# KiCad board DIP8breakout+potToUSB.kicad_pcb (continued)
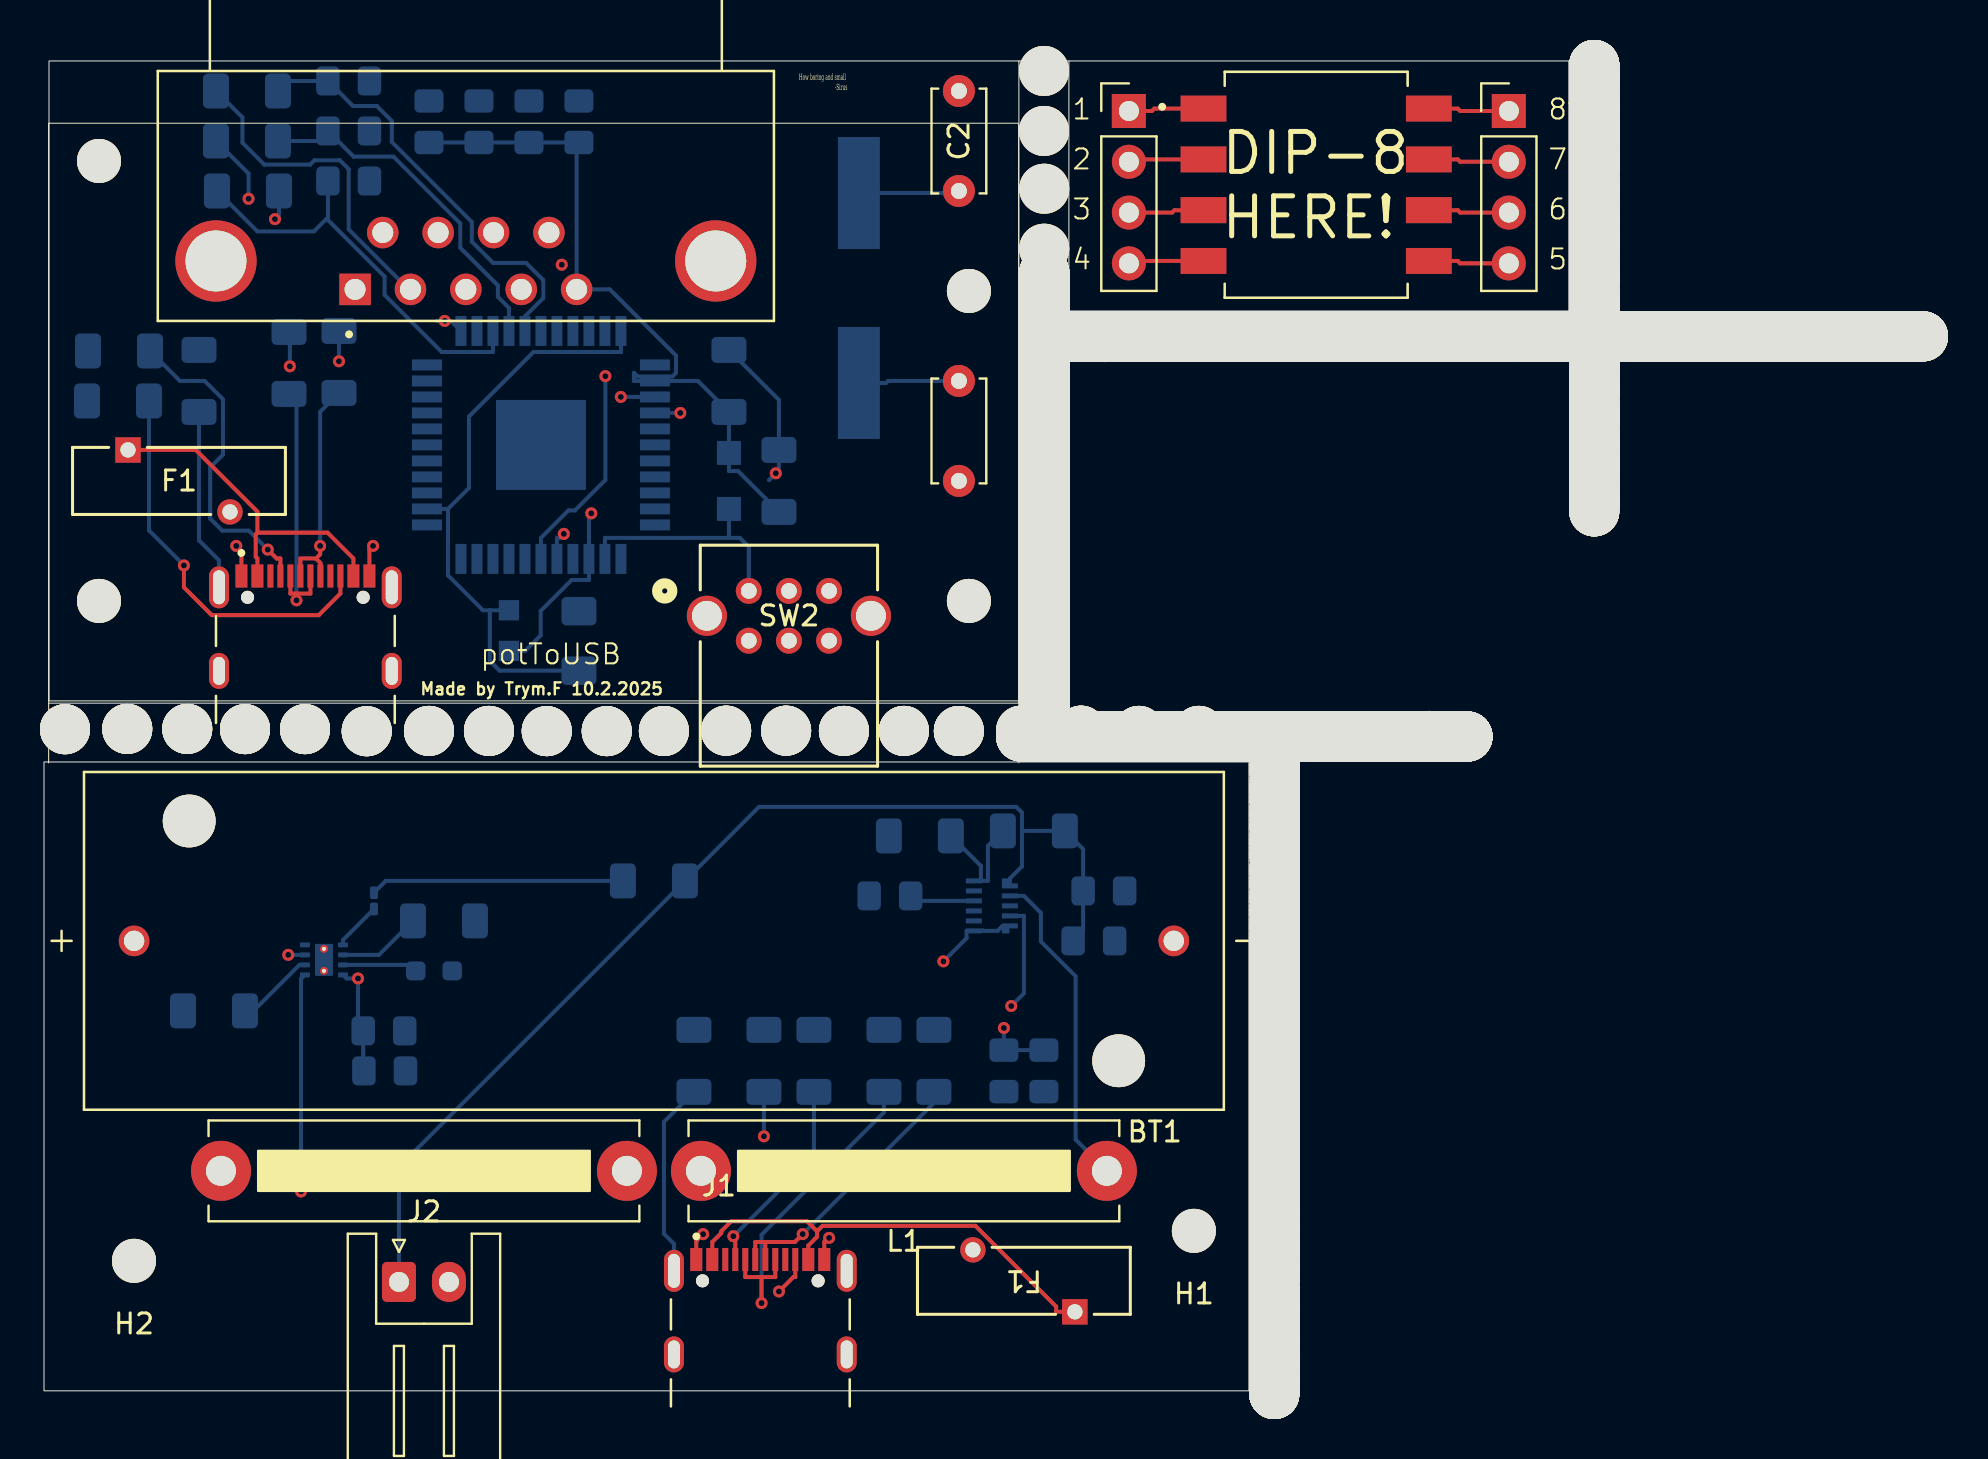
[diagram p0: board, top side]
## Placement (name value [footprint] x y rotation side) (continued)
NOREF#6624  -  [unnamed]  63.48 32.72 0 top
NOREF#6625  -  [unnamed]  61.55 22.67 90 top
NOREF#6626  -  [unnamed]  61.52 3.66 270 top
NOREF#6627  -  [unnamed]  50.02 43.05 90 top
NOREF#6628  -  [unnamed]  61.55 21.93 90 top
NOREF#6629  -  [unnamed]  50.02 50.69 90 top
NOREF#6630  -  [unnamed]  64.18 52.73 180 top
NOREF#6631  -  [unnamed]  67.4 52.73 180 top
NOREF#6632  -  [unnamed]  61.52 5.68 270 top
NOREF#6633  -  [unnamed]  61.55 30.87 90 top
NOREF#6634  -  [unnamed]  61.52 7.28 270 top
NOREF#6635  -  [unnamed]  88.12 52.73 180 top
NOREF#6636  -  [unnamed]  59.22 52.73 180 top
NOREF#6637  -  [unnamed]  61.52 21.76 270 top
NOREF#6638  -  [unnamed]  61.55 10.67 90 top
NOREF#6639  -  [unnamed]  77.52 45.58 90 top
NOREF#6640  -  [unnamed]  61.52 9.84 270 top
NOREF#6641  -  [unnamed]  61.55 28.11 90 top
NOREF#6642  -  [unnamed]  62.38 32.72 0 top
NOREF#6643  -  [unnamed]  50.02 52.95 90 top
NOREF#6644  -  [unnamed]  50.02 48.67 90 top
NOREF#6645  -  [unnamed]  50.02 43.05 90 top
NOREF#6646  -  [unnamed]  61.55 16.11 90 top
NOREF#6647  -  [unnamed]  75.46 52.73 180 top
NOREF#6648  -  [unnamed]  50.02 51.35 90 top
NOREF#6649  -  [unnamed]  61.52 1.64 270 top
NOREF#6650  -  [unnamed]  56.34 52.73 180 top
NOREF#6651  -  [unnamed]  61.55 24.49 90 top
NOREF#6652  -  [unnamed]  65.34 52.73 180 top
NOREF#6653  -  [unnamed]  63.28 32.72 0 top
NOREF#6654  -  [unnamed]  61.55 17.05 90 top
NOREF#6655  -  [unnamed]  66.82 32.72 0 top
NOREF#6656  -  [unnamed]  72.5 52.73 180 top
NOREF#6657  -  [unnamed]  87.92 52.73 180 top
NOREF#6658  -  [unnamed]  75.26 52.73 180 top
NOREF#6659  -  [unnamed]  61.55 21.27 90 top
NOREF#6660  -  [unnamed]  77.52 53.44 90 top
NOREF#6661  -  [unnamed]  61.55 23.13 90 top
NOREF#6662  -  [unnamed]  61.55 21.73 90 top
NOREF#6663  -  [unnamed]  77.52 59.06 90 top
NOREF#6664  -  [unnamed]  50.02 39.63 90 top
NOREF#6665  -  [unnamed]  54.94 52.73 180 top
NOREF#6666  -  [unnamed]  77.52 57.9 90 top
NOREF#6667  -  [unnamed]  68.92 32.72 0 top
NOREF#6668  -  [unnamed]  77.52 57.7 90 top
NOREF#6669  -  [unnamed]  50.02 51.35 90 top
NOREF#6670  -  [unnamed]  77.52 53.98 90 top
NOREF#6671  -  [unnamed]  50.02 50.27 90 top
NOREF#6672  -  [unnamed]  77.52 59.6 90 top
NOREF#6673  -  [unnamed]  88.74 52.73 180 top
NOREF#6674  -  [unnamed]  61.55 13.43 90 top
NOREF#6675  -  [unnamed]  49.72 32.72 0 top
NOREF#6676  -  [unnamed]  50.02 42.19 90 top
NOREF#6677  -  [unnamed]  61.55 15.45 90 top
NOREF#6678  -  [unnamed]  50.02 42.19 90 top
NOREF#6679  -  [unnamed]  77.52 57.5 90 top
NOREF#6680  -  [unnamed]  61.55 22.67 90 top
NOREF#6681  -  [unnamed]  50.02 42.39 90 top
NOREF#6682  -  [unnamed]  77.52 60.46 90 top
NOREF#6683  -  [unnamed]  61.52 0.04 270 top
NOREF#6684  -  [unnamed]  61.58 52.73 180 top
NOREF#6685  -  [unnamed]  74.1 52.73 180 top
NOREF#6686  -  [unnamed]  61.55 25.43 90 top
NOREF#6687  -  [unnamed]  50.02 37.75 90 top
NOREF#6688  -  [unnamed]  68.88 52.73 180 top
NOREF#6689  -  [unnamed]  61.52 1.44 270 top
NOREF#6690  -  [unnamed]  61.55 21.93 90 top
NOREF#6691  -  [unnamed]  68.02 32.72 0 top
NOREF#6692  -  [unnamed]  51.98 52.73 180 top
NOREF#6693  -  [unnamed]  77.52 54.38 90 top
NOREF#6694  -  [unnamed]  71.84 52.73 180 top
NOREF#6695  -  [unnamed]  61.52 12.16 270 top
NOREF#6696  -  [unnamed]  61.52 8.24 270 top
NOREF#6697  -  [unnamed]  77.52 62.68 90 top
NOREF#6698  -  [unnamed]  50.02 53.45 90 top
NOREF#6699  -  [unnamed]  68.22 32.72 0 top
NOREF#6700  -  [unnamed]  61.55 22.47 90 top
NOREF#6701  -  [unnamed]  89.4 52.73 180 top
NOREF#6702  -  [unnamed]  79.94 52.73 180 top
NOREF#6703  -  [unnamed]  61.55 28.31 90 top
NOREF#6704  -  [unnamed]  50.02 48.47 90 top
NOREF#6705  -  [unnamed]  66.82 32.72 0 top
NOREF#6706  -  [unnamed]  64.64 52.73 180 top
NOREF#6707  -  [unnamed]  59.52 52.73 180 top
NOREF#6708  -  [unnamed]  61.55 10.67 90 top
NOREF#6709  -  [unnamed]  70.48 52.73 180 top
NOREF#6710  -  [unnamed]  50.02 48.67 90 top
NOREF#6711  -  [unnamed]  90.6 52.73 180 top
NOREF#6712  -  [unnamed]  58.12 32.72 0 top
NOREF#6713  -  [unnamed]  52.68 32.72 0 top
NOREF#6714  -  [unnamed]  61.52 13.16 270 top
NOREF#6715  -  [unnamed]  75.26 52.73 180 top
NOREF#6716  -  [unnamed]  50.02 52.95 90 top
NOREF#6717  -  [unnamed]  77.52 59.8 90 top
NOREF#6718  -  [unnamed]  61.55 28.31 90 top
NOREF#6719  -  [unnamed]  61.52 13.36 270 top
NOREF#6720  -  [unnamed]  50.66 32.72 0 top
NOREF#6721  -  [unnamed]  50.02 36.05 90 top
NOREF#6722  -  [unnamed]  61.55 13.97 90 top
NOREF#6723  -  [unnamed]  56.1 32.72 0 top
NOREF#6724  -  [unnamed]  61.52 17.6 270 top
NOREF#6725  -  [unnamed]  61.55 24.23 90 top
NOREF#6726  -  [unnamed]  61.55 29.67 90 top
NOREF#6727  -  [unnamed]  52.92 52.73 180 top
NOREF#6728  -  [unnamed]  61.55 25.23 90 top
NOREF#6729  -  [unnamed]  72.18 52.73 180 top
NOREF#6730  -  [unnamed]  61.52 20.16 270 top
NOREF#6731  -  [unnamed]  61.55 25.43 90 top
NOREF#6732  -  [unnamed]  77.52 59.06 90 top
NOREF#6733  -  [unnamed]  79.54 52.73 180 top
NOREF#6734  -  [unnamed]  77.52 61.28 90 top
NOREF#6735  -  [unnamed]  61.52 7.94 270 top
NOREF#6736  -  [unnamed]  56.96 52.73 180 top
NOREF#6737  -  [unnamed]  70.98 32.72 0 top
NOREF#6738  -  [unnamed]  50.02 39.01 90 top
NOREF#6739  -  [unnamed]  50.02 44.85 90 top
NOREF#6740  -  [unnamed]  54.94 52.73 180 top
NOREF#6741  -  [unnamed]  50.02 43.25 90 top
NOREF#6742  -  [unnamed]  50.02 55.91 90 top
NOREF#6743  -  [unnamed]  61.55 20.27 90 top
NOREF#6744  -  [unnamed]  75.46 52.73 180 top
NOREF#6745  -  [unnamed]  61.52 11.5 270 top
NOREF#6746  -  [unnamed]  50.02 41.49 90 top
NOREF#6747  -  [unnamed]  49.92 32.72 0 top
NOREF#6748  -  [unnamed]  88.54 52.73 180 top
NOREF#6749  -  [unnamed]  50.02 55.71 90 top
NOREF#6750  -  [unnamed]  68.22 32.72 0 top
NOREF#6751  -  [unnamed]  50.86 32.72 0 top
NOREF#6752  -  [unnamed]  50.02 33.99 90 top
NOREF#6753  -  [unnamed]  61.52 0.9 270 top
NOREF#6754  -  [unnamed]  50.02 50.07 90 top
NOREF#6755  -  [unnamed]  61.52 18.34 270 top
NOREF#6756  -  [unnamed]  50.02 50.49 90 top
NOREF#6757  -  [unnamed]  61.38 32.72 0 top
NOREF#6758  -  [unnamed]  66.74 52.73 180 top
NOREF#6759  -  [unnamed]  57.42 52.73 180 top
NOREF#6760  -  [unnamed]  56.3 32.72 0 top
NOREF#6761  -  [unnamed]  53.88 52.73 180 top
NOREF#6762  -  [unnamed]  67.56 32.72 0 top
NOREF#6763  -  [unnamed]  70.12 32.72 0 top
NOREF#6764  -  [unnamed]  71.84 52.73 180 top
NOREF#6765  -  [unnamed]  77.52 65.64 90 top
NOREF#6766  -  [unnamed]  77.52 60.46 90 top
NOREF#6767  -  [unnamed]  50.02 45.25 90 top
NOREF#6768  -  [unnamed]  77.52 58.4 90 top
NOREF#6769  -  [unnamed]  88.54 52.73 180 top
NOREF#6770  -  [unnamed]  61.72 32.72 0 top
NOREF#6771  -  [unnamed]  56.96 52.73 180 top
NOREF#6772  -  [unnamed]  50.02 48.01 90 top
NOREF#6773  -  [unnamed]  57.82 52.73 180 top
NOREF#6774  -  [unnamed]  92.36 52.73 180 top
NOREF#6775  -  [unnamed]  79.08 52.73 180 top
NOREF#6776  -  [unnamed]  77.52 64.9 90 top
NOREF#6777  -  [unnamed]  77.52 44.38 90 top
NOREF#6778  -  [unnamed]  55.48 52.73 180 top
NOREF#6779  -  [unnamed]  55.68 52.73 180 top
NOREF#6780  -  [unnamed]  64.48 32.72 0 top
NOREF#6781  -  [unnamed]  77.52 54.18 90 top
NOREF#6782  -  [unnamed]  50.12 32.72 0 top
NOREF#6783  -  [unnamed]  61.55 27.77 90 top
NOREF#6784  -  [unnamed]  50.02 43.05 90 top
NOREF#6785  -  [unnamed]  50.02 36.95 90 top
NOREF#6786  -  [unnamed]  85.66 52.73 180 top
NOREF#6787  -  [unnamed]  52.68 32.72 0 top
NOREF#6788  -  [unnamed]  61.52 11.76 270 top
NOREF#6789  -  [unnamed]  61.98 52.73 180 top
NOREF#6790  -  [unnamed]  77.52 59.26 90 top
NOREF#6791  -  [unnamed]  65.8 52.73 180 top
NOREF#6792  -  [unnamed]  58.32 32.72 0 top
NOREF#6793  -  [unnamed]  68.22 32.72 0 top
NOREF#6794  -  [unnamed]  71.64 52.73 180 top
NOREF#6795  -  [unnamed]  64.44 52.73 180 top
NOREF#6796  -  [unnamed]  80.44 52.73 180 top
NOREF#6797  -  [unnamed]  61.55 13.63 90 top
NOREF#6798  -  [unnamed]  77.52 65.44 90 top
NOREF#6799  -  [unnamed]  61.55 16.11 90 top
NOREF#6800  -  [unnamed]  93.56 52.73 180 top
NOREF#6801  -  [unnamed]  77.52 63.14 90 top
NOREF#6802  -  [unnamed]  50.02 45.25 90 top
NOREF#6803  -  [unnamed]  61.55 30.67 90 top
NOREF#6804  -  [unnamed]  69.12 32.72 0 top
NOREF#6805  -  [unnamed]  53.42 32.72 0 top
NOREF#6806  -  [unnamed]  83.3 52.73 180 top
NOREF#6807  -  [unnamed]  61.52 10.7 270 top
NOREF#6808  -  [unnamed]  61.52 14.26 270 top
NOREF#6809  -  [unnamed]  77.52 59.8 90 top
NOREF#6810  -  [unnamed]  61.55 11.41 90 top
NOREF#6811  -  [unnamed]  61.55 31.73 90 top
NOREF#6812  -  [unnamed]  59.06 32.72 0 top
NOREF#6813  -  [unnamed]  61.52 10.3 270 top
NOREF#6814  -  [unnamed]  50.02 38.81 90 top
NOREF#6815  -  [unnamed]  56.5 32.72 0 top
NOREF#6816  -  [unnamed]  66 52.73 180 top
NOREF#6817  -  [unnamed]  61.55 22.87 90 top
NOREF#6818  -  [unnamed]  76.86 52.73 180 top
NOREF#6819  -  [unnamed]  58.86 32.72 0 top
NOREF#6820  -  [unnamed]  70.98 52.73 180 top
NOREF#6821  -  [unnamed]  61.55 22.87 90 top
NOREF#6822  -  [unnamed]  85.66 52.73 180 top
NOREF#6823  -  [unnamed]  77.52 47.6 90 top
NOREF#6824  -  [unnamed]  81.1 52.73 180 top
NOREF#6825  -  [unnamed]  50.02 42.59 90 top
NOREF#6826  -  [unnamed]  77.52 44.18 90 top
NOREF#6827  -  [unnamed]  55.76 32.72 0 top
NOREF#6828  -  [unnamed]  68.22 52.73 180 top
NOREF#6829  -  [unnamed]  61.55 14.83 90 top
NOREF#6830  -  [unnamed]  61.52 16.94 270 top
NOREF#6831  -  [unnamed]  61.55 24.03 90 top
NOREF#6832  -  [unnamed]  50.02 40.29 90 top
NOREF#6833  -  [unnamed]  77.52 45.04 90 top
NOREF#6834  -  [unnamed]  68.42 32.72 0 top
NOREF#6835  -  [unnamed]  77.52 50.02 90 top
NOREF#6836  -  [unnamed]  60.58 52.73 180 top
NOREF#6837  -  [unnamed]  61.52 15.46 270 top
NOREF#6838  -  [unnamed]  50.02 37.75 90 top
NOREF#6839  -  [unnamed]  61.52 0.24 270 top
NOREF#6840  -  [unnamed]  61.55 29.67 90 top
NOREF#6841  -  [unnamed]  67.2 52.73 180 top
NOREF#6842  -  [unnamed]  56.3 32.72 0 top
NOREF#6843  -  [unnamed]  77.52 44.64 90 top
NOREF#6844  -  [unnamed]  50.02 38.61 90 top
NOREF#6845  -  [unnamed]  62.58 52.73 180 top
NOREF#6846  -  [unnamed]  61.55 18.21 90 top
NOREF#6847  -  [unnamed]  61.52 6.34 270 top
NOREF#6848  -  [unnamed]  56.96 32.72 0 top
NOREF#6849  -  [unnamed]  76.66 52.73 180 top
NOREF#6850  -  [unnamed]  54.08 52.73 180 top
NOREF#6851  -  [unnamed]  55.56 32.72 0 top
NOREF#6852  -  [unnamed]  54.94 52.73 180 top
NOREF#6853  -  [unnamed]  55.94 52.73 180 top
NOREF#6854  -  [unnamed]  55.36 32.72 0 top
NOREF#6855  -  [unnamed]  85.86 52.73 180 top
NOREF#6856  -  [unnamed]  61.55 18.01 90 top
NOREF#6857  -  [unnamed]  61.55 27.57 90 top
NOREF#6858  -  [unnamed]  60.32 32.72 0 top
NOREF#6859  -  [unnamed]  61.52 0.5 270 top
NOREF#6860  -  [unnamed]  50.02 43.79 90 top
NOREF#6861  -  [unnamed]  57.36 52.73 180 top
NOREF#6862  -  [unnamed]  61.52 10.5 270 top
NOREF#6863  -  [unnamed]  77.52 62.48 90 top
NOREF#6864  -  [unnamed]  61.55 27.57 90 top
NOREF#6865  -  [unnamed]  61.52 18.14 270 top
NOREF#6866  -  [unnamed]  61.52 0.24 270 top
NOREF#6867  -  [unnamed]  56.76 52.73 180 top
NOREF#6868  -  [unnamed]  78.34 52.73 180 top
NOREF#6869  -  [unnamed]  61.55 18.41 90 top
NOREF#6870  -  [unnamed]  60.32 32.72 0 top
NOREF#6871  -  [unnamed]  61.52 5.88 270 top
NOREF#6872  -  [unnamed]  72.7 52.73 180 top
NOREF#6873  -  [unnamed]  61.55 19.27 90 top
NOREF#6874  -  [unnamed]  52.92 52.73 180 top
NOREF#6875  -  [unnamed]  77.52 59.8 90 top
NOREF#6876  -  [unnamed]  77.52 60.06 90 top
NOREF#6877  -  [unnamed]  69.62 52.73 180 top
NOREF#6878  -  [unnamed]  77.52 45.78 90 top
NOREF#6879  -  [unnamed]  77.52 56.84 90 top
NOREF#6880  -  [unnamed]  61.52 13.56 270 top
NOREF#6881  -  [unnamed]  68.52 32.72 0 top
NOREF#6882  -  [unnamed]  61.55 20.01 90 top
NOREF#6883  -  [unnamed]  55.56 32.72 0 top
NOREF#6884  -  [unnamed]  78.88 52.73 180 top
NOREF#6885  -  [unnamed]  50.02 41.69 90 top
NOREF#6886  -  [unnamed]  55.56 32.72 0 top
NOREF#6887  -  [unnamed]  61.55 16.51 90 top
NOREF#6888  -  [unnamed]  61.55 17.71 90 top
NOREF#6889  -  [unnamed]  61.52 4.2 270 top
NOREF#6890  -  [unnamed]  77.52 53.44 90 top
NOREF#6891  -  [unnamed]  81.3 52.73 180 top
NOREF#6892  -  [unnamed]  77.52 58.2 90 top
NOREF#6893  -  [unnamed]  49.92 32.72 0 top
NOREF#6894  -  [unnamed]  63.48 32.72 0 top
NOREF#6895  -  [unnamed]  69.08 52.73 180 top
NOREF#6896  -  [unnamed]  59.72 52.73 180 top
NOREF#6897  -  [unnamed]  62.58 32.72 0 top
NOREF#6898  -  [unnamed]  61.55 14.63 90 top
NOREF#6899  -  [unnamed]  61.52 12.36 270 top
NOREF#6900  -  [unnamed]  86.06 52.73 180 top
NOREF#6901  -  [unnamed]  50.02 36.05 90 top
NOREF#6902  -  [unnamed]  61.52 10.5 270 top
NOREF#6903  -  [unnamed]  77.52 58.86 90 top
NOREF#6904  -  [unnamed]  59.02 52.73 180 top
NOREF#6905  -  [unnamed]  61.92 32.72 0 top
NOREF#6906  -  [unnamed]  50.02 38.81 90 top
NOREF#6907  -  [unnamed]  72.18 52.73 180 top
NOREF#6908  -  [unnamed]  60.98 32.72 0 top
NOREF#6909  -  [unnamed]  77.52 55.44 90 top
NOREF#6910  -  [unnamed]  61.55 23.83 90 top
NOREF#6911  -  [unnamed]  73.04 52.73 180 top
NOREF#6912  -  [unnamed]  61.52 17.14 270 top
NOREF#6913  -  [unnamed]  64.64 52.73 180 top
NOREF#6914  -  [unnamed]  52.68 32.72 0 top
NOREF#6915  -  [unnamed]  50.02 54.31 90 top
NOREF#6916  -  [unnamed]  50.02 41.23 90 top
NOREF#6917  -  [unnamed]  80.44 52.73 180 top
NOREF#6918  -  [unnamed]  77.52 51.42 90 top
NOREF#6919  -  [unnamed]  50.02 42.65 90 top
NOREF#6920  -  [unnamed]  77.52 52.08 90 top
NOREF#6921  -  [unnamed]  80.9 52.73 180 top
NOREF#6922  -  [unnamed]  68.22 32.72 0 top
NOREF#6923  -  [unnamed]  57.16 52.73 180 top
NOREF#6924  -  [unnamed]  61.55 9.81 90 top
NOREF#6925  -  [unnamed]  61.52 19 270 top
NOREF#6926  -  [unnamed]  61.52 4.4 270 top
NOREF#6927  -  [unnamed]  50.02 40.83 90 top
NOREF#6928  -  [unnamed]  73.9 52.73 180 top
NOREF#6929  -  [unnamed]  61.52 7.28 270 top
NOREF#6930  -  [unnamed]  85.86 52.73 180 top
NOREF#6931  -  [unnamed]  60.38 52.73 180 top
NOREF#6932  -  [unnamed]  72.3 52.73 180 top
NOREF#6933  -  [unnamed]  52.52 52.73 180 top
NOREF#6934  -  [unnamed]  50.02 46.45 90 top
NOREF#6935  -  [unnamed]  61.52 14.72 270 top
NOREF#6936  -  [unnamed]  61.52 16.12 270 top
NOREF#6937  -  [unnamed]  50.02 47.31 90 top
NOREF#6938  -  [unnamed]  85.36 52.73 180 top
NOREF#6939  -  [unnamed]  61.55 18.61 90 top
NOREF#6940  -  [unnamed]  75.06 52.73 180 top
NOREF#6941  -  [unnamed]  65.34 52.73 180 top
NOREF#6942  -  [unnamed]  59.26 32.72 0 top
NOREF#6943  -  [unnamed]  54.5 32.72 0 top
NOREF#6944  -  [unnamed]  77.52 51.62 90 top
NOREF#6945  -  [unnamed]  59.22 52.73 180 top
NOREF#6946  -  [unnamed]  61.52 17.8 270 top
NOREF#6947  -  [unnamed]  61.55 19.07 90 top
NOREF#6948  -  [unnamed]  62.58 32.72 0 top
NOREF#6949  -  [unnamed]  61.55 31.73 90 top
NOREF#6950  -  [unnamed]  61.12 52.73 180 top
NOREF#6951  -  [unnamed]  77.52 46.24 90 top
NOREF#6952  -  [unnamed]  61.55 11.21 90 top
NOREF#6953  -  [unnamed]  50.02 45.25 90 top
NOREF#6954  -  [unnamed]  50.02 42.85 90 top
NOREF#6955  -  [unnamed]  50.02 49.21 90 top
NOREF#6956  -  [unnamed]  61.55 18.61 90 top
NOREF#6957  -  [unnamed]  89.6 52.73 180 top
NOREF#6958  -  [unnamed]  77.52 48.54 90 top
NOREF#6959  -  [unnamed]  61.52 11.7 270 top
NOREF#6960  -  [unnamed]  77.52 61.94 90 top
NOREF#6961  -  [unnamed]  55.56 32.72 0 top
NOREF#6962  -  [unnamed]  65.14 52.73 180 top
NOREF#6963  -  [unnamed]  55.56 32.72 0 top
NOREF#6964  -  [unnamed]  69.08 52.73 180 top
NOREF#6965  -  [unnamed]  50.02 52.75 90 top
NOREF#6966  -  [unnamed]  81.84 52.73 180 top
NOREF#6967  -  [unnamed]  50.02 45.05 90 top
NOREF#6968  -  [unnamed]  61.55 18.21 90 top
NOREF#6969  -  [unnamed]  77.52 58.4 90 top
NOREF#6970  -  [unnamed]  79.34 52.73 180 top
NOREF#6971  -  [unnamed]  61.92 32.72 0 top
NOREF#6972  -  [unnamed]  73.24 52.73 180 top
NOREF#6973  -  [unnamed]  49.26 32.72 0 top
NOREF#6974  -  [unnamed]  77.52 44.58 90 top
NOREF#6975  -  [unnamed]  61.55 13.97 90 top
NOREF#6976  -  [unnamed]  61.32 52.73 180 top
NOREF#6977  -  [unnamed]  50.02 48.67 90 top
NOREF#6978  -  [unnamed]  69.62 52.73 180 top
NOREF#6979  -  [unnamed]  77.52 59.6 90 top
NOREF#6980  -  [unnamed]  50.02 40.49 90 top
NOREF#6981  -  [unnamed]  71.18 52.73 180 top
NOREF#6982  -  [unnamed]  77.52 49.2 90 top
NOREF#6983  -  [unnamed]  54.28 32.72 0 top
NOREF#6984  -  [unnamed]  77.52 55.44 90 top
NOREF#6985  -  [unnamed]  61.55 22.67 90 top
NOREF#6986  -  [unnamed]  61.52 18.54 270 top
NOREF#6987  -  [unnamed]  61.55 24.49 90 top
NOREF#6988  -  [unnamed]  50.02 55.05 90 top
NOREF#6989  -  [unnamed]  77.52 44.38 90 top
NOREF#6990  -  [unnamed]  89.2 52.73 180 top
NOREF#6991  -  [unnamed]  70.08 52.73 180 top
NOREF#6992  -  [unnamed]  74.6 52.73 180 top
NOREF#6993  -  [unnamed]  77.52 51.22 90 top
NOREF#6994  -  [unnamed]  77.52 46.44 90 top
NOREF#6995  -  [unnamed]  61.55 15.25 90 top
NOREF#6996  -  [unnamed]  50.02 43.25 90 top
NOREF#6997  -  [unnamed]  50.02 50.07 90 top
NOREF#6998  -  [unnamed]  81.44 52.73 180 top
NOREF#6999  -  [unnamed]  77.52 49.2 90 top
NOREF#7000  -  [unnamed]  64.84 52.73 180 top
NOREF#7001  -  [unnamed]  61.55 16.11 90 top
NOREF#7002  -  [unnamed]  61.55 13.43 90 top
NOREF#7003  -  [unnamed]  61.55 26.29 90 top
NOREF#7004  -  [unnamed]  73.04 52.73 180 top
NOREF#7005  -  [unnamed]  63.28 32.72 0 top
NOREF#7006  -  [unnamed]  50.02 42.85 90 top
NOREF#7007  -  [unnamed]  80.44 52.73 180 top
NOREF#7008  -  [unnamed]  61.55 21.47 90 top
NOREF#7009  -  [unnamed]  61.52 21.3 270 top
NOREF#7010  -  [unnamed]  77.52 47.6 90 top
NOREF#7011  -  [unnamed]  81.84 52.73 180 top
NOREF#7012  -  [unnamed]  84.3 52.73 180 top
NOREF#7013  -  [unnamed]  52.72 52.73 180 top
NOREF#7014  -  [unnamed]  70.28 52.73 180 top
NOREF#7015  -  [unnamed]  88.74 52.73 180 top
NOREF#7016  -  [unnamed]  56.5 32.72 0 top
NOREF#7017  -  [unnamed]  62.58 32.72 0 top
NOREF#7018  -  [unnamed]  56.14 52.73 180 top
NOREF#7019  -  [unnamed]  61.52 14.06 270 top
NOREF#7020  -  [unnamed]  61.52 12.16 270 top
NOREF#7021  -  [unnamed]  87.92 52.73 180 top
NOREF#7022  -  [unnamed]  50.02 45.45 90 top
NOREF#7023  -  [unnamed]  61.52 19.7 270 top
NOREF#7024  -  [unnamed]  50.02 37.01 90 top
NOREF#7025  -  [unnamed]  52.48 32.72 0 top
NOREF#7026  -  [unnamed]  61.52 16.94 270 top
NOREF#7027  -  [unnamed]  50.02 38.15 90 top
NOREF#7028  -  [unnamed]  52.48 32.72 0 top
NOREF#7029  -  [unnamed]  75.06 52.73 180 top
NOREF#7030  -  [unnamed]  55.68 52.73 180 top
NOREF#7031  -  [unnamed]  61.55 17.51 90 top
NOREF#7032  -  [unnamed]  53.88 52.73 180 top
NOREF#7033  -  [unnamed]  77.52 52.08 90 top
NOREF#7034  -  [unnamed]  77.52 65.44 90 top
NOREF#7035  -  [unnamed]  77.52 54.38 90 top
NOREF#7036  -  [unnamed]  50.02 52.29 90 top
NOREF#7037  -  [unnamed]  50.02 54.31 90 top
NOREF#7038  -  [unnamed]  59.22 52.73 180 top
NOREF#7039  -  [unnamed]  50.02 53.65 90 top
NOREF#7040  -  [unnamed]  61.52 21.56 270 top
NOREF#7041  -  [unnamed]  66.82 32.72 0 top
NOREF#7042  -  [unnamed]  70.52 32.72 0 top
NOREF#7043  -  [unnamed]  53.22 32.72 0 top
NOREF#7044  -  [unnamed]  61.55 30.13 90 top
NOREF#7045  -  [unnamed]  77.52 56.84 90 top
NOREF#7046  -  [unnamed]  93.36 52.73 180 top
NOREF#7047  -  [unnamed]  77.52 45.78 90 top
NOREF#7048  -  [unnamed]  61.52 19.9 270 top
NOREF#7049  -  [unnamed]  61.52 0.9 270 top
NOREF#7050  -  [unnamed]  84.7 52.73 180 top
NOREF#7051  -  [unnamed]  50.02 42.59 90 top
NOREF#7052  -  [unnamed]  57.86 32.72 0 top
NOREF#7053  -  [unnamed]  50.02 55.05 90 top
NOREF#7054  -  [unnamed]  77.52 55.84 90 top
NOREF#7055  -  [unnamed]  65.14 52.73 180 top
NOREF#7056  -  [unnamed]  57.62 52.73 180 top
NOREF#7057  -  [unnamed]  61.52 21.76 270 top
NOREF#7058  -  [unnamed]  65.14 32.72 0 top
NOREF#7059  -  [unnamed]  63.04 52.73 180 top
NOREF#7060  -  [unnamed]  77.52 58.86 90 top
NOREF#7061  -  [unnamed]  61.55 22.93 90 top
NOREF#7062  -  [unnamed]  51.98 52.73 180 top
NOREF#7063  -  [unnamed]  77.52 57.7 90 top
NOREF#7064  -  [unnamed]  59.92 52.73 180 top
NOREF#7065  -  [unnamed]  77.52 65.24 90 top
NOREF#7066  -  [unnamed]  75 52.73 180 top
NOREF#7067  -  [unnamed]  50.26 32.72 0 top
NOREF#7068  -  [unnamed]  77.52 64.04 90 top
NOREF#7069  -  [unnamed]  77.52 46.64 90 top
NOREF#7070  -  [unnamed]  85.86 52.73 180 top
NOREF#7071  -  [unnamed]  79.74 52.73 180 top
NOREF#7072  -  [unnamed]  77.52 54.38 90 top
NOREF#7073  -  [unnamed]  61.52 7.54 270 top
NOREF#7074  -  [unnamed]  64.44 52.73 180 top
NOREF#7075  -  [unnamed]  73.7 52.73 180 top
NOREF#7076  -  [unnamed]  61.52 12.16 270 top
NOREF#7077  -  [unnamed]  67.76 32.72 0 top
NOREF#7078  -  [unnamed]  50.02 45.45 90 top
NOREF#7079  -  [unnamed]  61.55 12.57 90 top
NOREF#7080  -  [unnamed]  77.52 57.04 90 top
NOREF#7081  -  [unnamed]  50.02 53.45 90 top
NOREF#7082  -  [unnamed]  61.55 24.69 90 top
NOREF#7083  -  [unnamed]  63.64 52.73 180 top
NOREF#7084  -  [unnamed]  53.12 52.73 180 top
NOREF#7085  -  [unnamed]  61.55 20.67 90 top
NOREF#7086  -  [unnamed]  61.52 4.2 270 top
NOREF#7087  -  [unnamed]  61.55 20.67 90 top
NOREF#7088  -  [unnamed]  61.52 17.8 270 top
NOREF#7089  -  [unnamed]  50.02 52.29 90 top
NOREF#7090  -  [unnamed]  64.18 52.73 180 top
NOREF#7091  -  [unnamed]  61.52 11.1 270 top
NOREF#7092  -  [unnamed]  61.52 11.76 270 top
NOREF#7093  -  [unnamed]  61.55 15.03 90 top
NOREF#7094  -  [unnamed]  50.02 40.09 90 top
NOREF#7095  -  [unnamed]  61.52 2.8 270 top
NOREF#7096  -  [unnamed]  77.68 52.73 180 top
NOREF#7097  -  [unnamed]  61.55 22.67 90 top
NOREF#7098  -  [unnamed]  61.55 22.87 90 top
NOREF#7099  -  [unnamed]  76.86 52.73 180 top
NOREF#7100  -  [unnamed]  61.52 12.7 270 top
NOREF#7101  -  [unnamed]  61.55 25.43 90 top
NOREF#7102  -  [unnamed]  77.52 45.04 90 top
NOREF#7103  -  [unnamed]  64.14 32.72 0 top
NOREF#7104  -  [unnamed]  61.52 20.1 270 top
NOREF#7105  -  [unnamed]  61.55 22.47 90 top
NOREF#7106  -  [unnamed]  77.52 57.9 90 top
NOREF#7107  -  [unnamed]  70.28 52.73 180 top
NOREF#7108  -  [unnamed]  50.02 39.43 90 top
NOREF#7109  -  [unnamed]  83.56 52.73 180 top
NOREF#7110  -  [unnamed]  85.16 52.73 180 top
NOREF#7111  -  [unnamed]  77.52 50.68 90 top
NOREF#7112  -  [unnamed]  63.98 52.73 180 top
NOREF#7113  -  [unnamed]  66.54 52.73 180 top
NOREF#7114  -  [unnamed]  59.02 52.73 180 top
NOREF#7115  -  [unnamed]  61.55 26.91 90 top
NOREF#7116  -  [unnamed]  77.52 44.38 90 top
NOREF#7117  -  [unnamed]  64.18 52.73 180 top
NOREF#7118  -  [unnamed]  61.52 4 270 top
NOREF#7119  -  [unnamed]  59.72 52.73 180 top
NOREF#7120  -  [unnamed]  74.8 52.73 180 top
NOREF#7121  -  [unnamed]  77.52 58.4 90 top
NOREF#7122  -  [unnamed]  53.42 32.72 0 top
NOREF#7123  -  [unnamed]  61.55 26.09 90 top
NOREF#7124  -  [unnamed]  61.52 9.64 270 top
NOREF#7125  -  [unnamed]  61.52 0.9 270 top
NOREF#7126  -  [unnamed]  77.52 61.28 90 top
NOREF#7127  -  [unnamed]  50.02 50.69 90 top
NOREF#7128  -  [unnamed]  70.32 32.72 0 top
NOREF#7129  -  [unnamed]  61.52 21.96 270 top
NOREF#7130  -  [unnamed]  63.48 32.72 0 top
NOREF#7131  -  [unnamed]  50.02 48.67 90 top
NOREF#7132  -  [unnamed]  50.02 36.05 90 top
NOREF#7133  -  [unnamed]  61.55 19.81 90 top
NOREF#7134  -  [unnamed]  52.72 52.73 180 top
NOREF#7135  -  [unnamed]  55.1 32.72 0 top
NOREF#7136  -  [unnamed]  66.82 32.72 0 top
NOREF#7137  -  [unnamed]  61.52 8.64 270 top
NOREF#7138  -  [unnamed]  61.55 13.43 90 top
NOREF#7139  -  [unnamed]  61.55 14.17 90 top
NOREF#7140  -  [unnamed]  52.18 52.73 180 top
NOREF#7141  -  [unnamed]  50.02 48.21 90 top
NOREF#7142  -  [unnamed]  61.55 30.13 90 top
NOREF#7143  -  [unnamed]  61.55 31.07 90 top
NOREF#7144  -  [unnamed]  60.58 52.73 180 top
NOREF#7145  -  [unnamed]  84.9 52.73 180 top
NOREF#7146  -  [unnamed]  77.52 45.98 90 top
NOREF#7147  -  [unnamed]  50.02 39.83 90 top
NOREF#7148  -  [unnamed]  73.24 52.73 180 top
NOREF#7149  -  [unnamed]  77.52 62.48 90 top
NOREF#7150  -  [unnamed]  61.52 -0.16 270 top
NOREF#7151  -  [unnamed]  63.98 52.73 180 top
NOREF#7152  -  [unnamed]  77.52 58.86 90 top
NOREF#7153  -  [unnamed]  50.02 45.05 90 top
NOREF#7154  -  [unnamed]  77.52 47.6 90 top
NOREF#7155  -  [unnamed]  77.52 51.42 90 top
NOREF#7156  -  [unnamed]  61.52 18.54 270 top
NOREF#7157  -  [unnamed]  50.02 41.03 90 top
NOREF#7158  -  [unnamed]  64.68 32.72 0 top
NOREF#7159  -  [unnamed]  61.92 32.72 0 top
NOREF#7160  -  [unnamed]  77.52 60.66 90 top
NOREF#7161  -  [unnamed]  63.08 32.72 0 top
NOREF#7162  -  [unnamed]  61.55 12.27 90 top
NOREF#7163  -  [unnamed]  50.02 37.21 90 top
NOREF#7164  -  [unnamed]  67.2 52.73 180 top
NOREF#7165  -  [unnamed]  91.5 52.73 180 top
NOREF#7166  -  [unnamed]  61.55 30.33 90 top
NOREF#7167  -  [unnamed]  61.52 3.66 270 top
NOREF#7168  -  [unnamed]  63.24 52.73 180 top
NOREF#7169  -  [unnamed]  69.12 32.72 90 bottom
NOREF#7170  -  [unnamed]  56.96 32.72 90 bottom
NOREF#7171  -  [unnamed]  77.52 52.98 180 bottom
NOREF#7172  -  [unnamed]  61.52 1.44 0 bottom
NOREF#7173  -  [unnamed]  92.16 52.73 270 bottom
NOREF#7174  -  [unnamed]  77.52 44.38 180 bottom
NOREF#7175  -  [unnamed]  77.52 64.24 180 bottom
NOREF#7176  -  [unnamed]  61.55 30.87 180 bottom
